# Altium PCB eva01.PcbDoc (part 1 of 4) (continued)
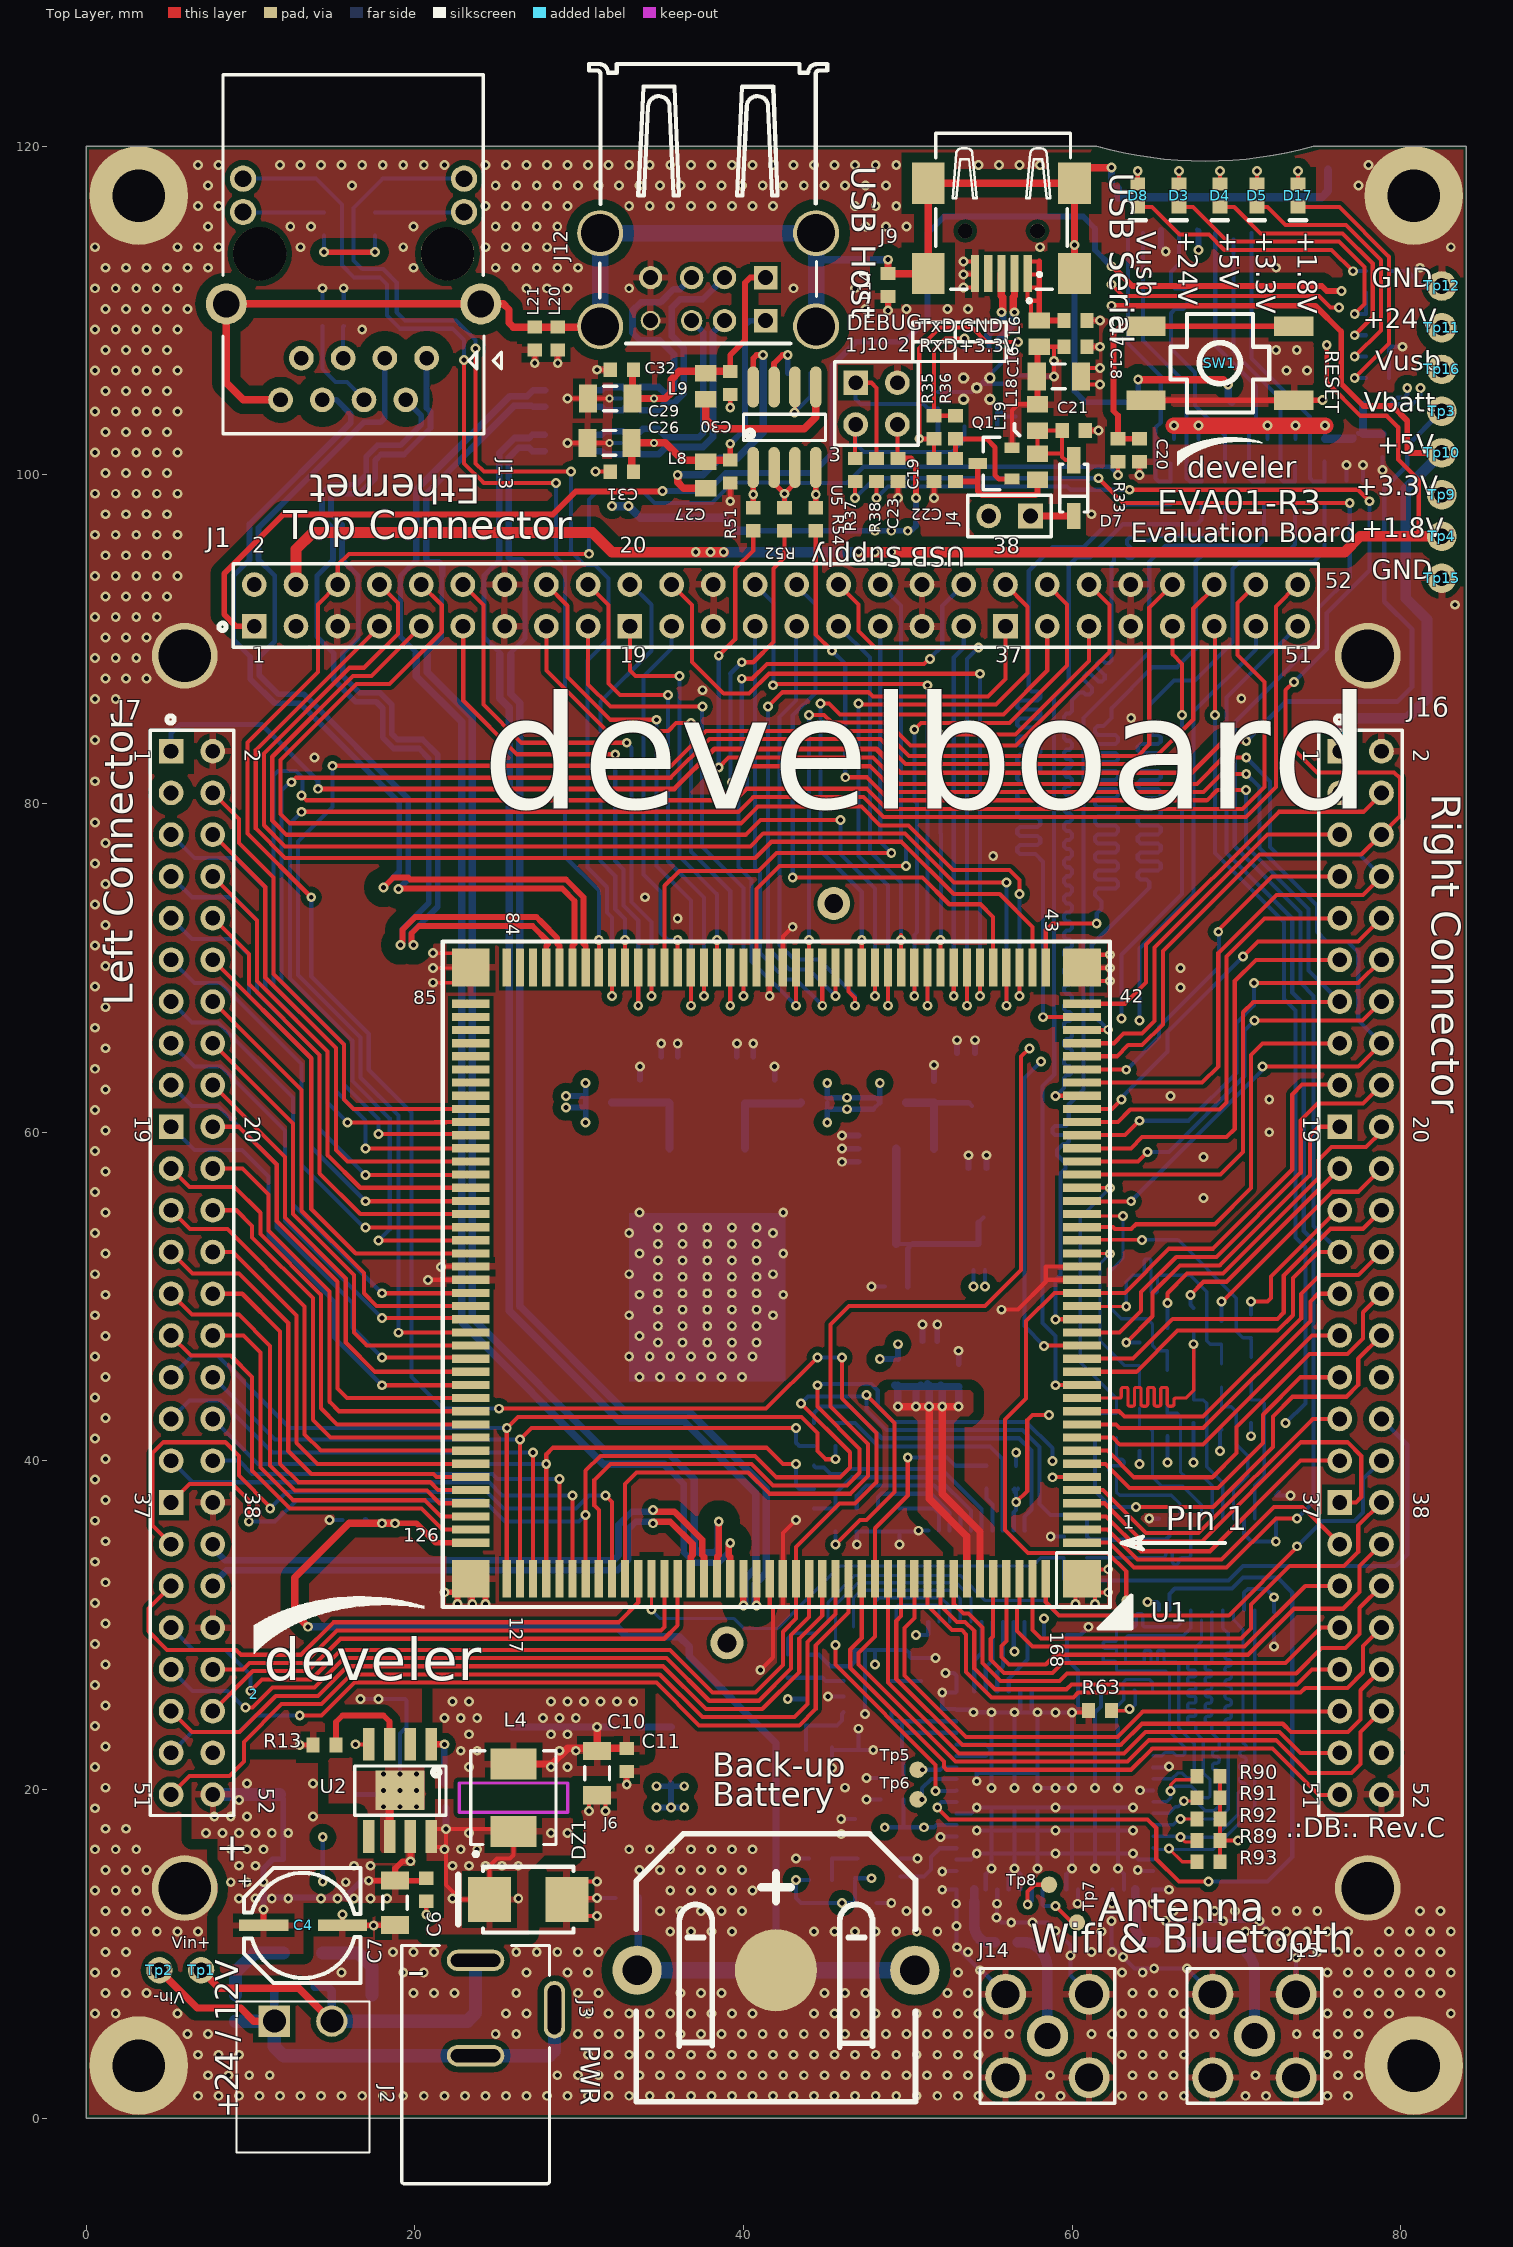
[diagram p0: Top Layer view]
## Footprints (in the part's own frame and the unit in brackets; to place one, negate y for a bottom-side part, rotate by r counter-clockwise, add the part's x,y. Pads: shape width x height; smd on the part's side, far side on the other; paste and mask are expansions set on the pad) (continued)
  silkscreen extent 0,2.47 10.36,5.98
Diode_bridge_smd [mm] "Full diode bridge smd"
  rect 0.8x2 smd: +(-1.2,-2.85) -(1.2,-2.85) AC1(-1.2,2.85) AC2(1.2,2.85)
  silkscreen extent -2.25,-2.5 2.25,3, body extent -2.25,-2.5 2.25,2.5, height 3
DO214AA_12 [mil]
  rect 103x108 smd: 1(-92.5,0) 2(92.5,0)
  silkscreen extent -167,-79 108,79, body extent -110,-78 110,78, height 106
HEADER_1X2_2.54MM_THD [mm] "Connector; Header; 2 Position"
  rect 1.5x1.5 hole 0.9: 1(-1.27,0)
  round 1.5 hole 0.9: 2(1.27,0)
  silkscreen extent -2.54,-1.27 2.54,1.27, body extent -2.54,-1.25 2.44,1.25, height 8.2
HEADER_2X2_2.54MM_THD [mm] "pin header 2.54mm 2row 4pin"
  rect 1.5x1.5 hole 0.9: 1(-1.27,-1.27)
  round 1.5 hole 0.9: 2(-1.27,1.27) 3(1.27,-1.27) 4(1.27,1.27)
  silkscreen extent -2.54,-2.54 2.54,2.54, body extent -2.54,-2.54 2.54,2.54, height 8.57
HEADER_2x26_2.54MM_THD [mm] "pin header 2.54mm 2x26 vertical"
  rect 1.5x1.5 hole 0.9: 1(-31.75,-1.27) 19(-8.89,-1.27) 37(13.97,-1.27)
  round 1.5 hole 0.9: 2(-31.75,1.27) 3(-29.21,-1.27) 4(-29.21,1.27) 5(-26.67,-1.27) 6(-26.67,1.27) 7(-24.13,-1.27) 8(-24.13,1.27) 9(-21.59,-1.27) 10(-21.59,1.27) 11(-19.05,-1.27) 12(-19.05,1.27) 13(-16.51,-1.27) 14(-16.51,1.27) 15(-13.97,-1.27) 16(-13.97,1.27) 17(-11.43,-1.27) 18(-11.43,1.27) 20(-8.89,1.27) 21(-6.35,-1.27) 22(-6.35,1.27) 23(-3.81,-1.27) 24(-3.81,1.27) 25(-1.27,-1.27) 26(-1.27,1.27) 27(1.27,-1.27) 28(1.27,1.27) 29(3.81,-1.27) 30(3.81,1.27) 31(6.35,-1.27) 32(6.35,1.27) 33(8.89,-1.27) 34(8.89,1.27) 35(11.43,-1.27) 36(11.43,1.27) 38(13.97,1.27) 39(16.51,-1.27) 40(16.51,1.27) 41(19.05,-1.27) 42(19.05,1.27) 43(21.59,-1.27) 44(21.59,1.27) 45(24.13,-1.27) 46(24.13,1.27) 47(26.67,-1.27) 48(26.67,1.27) 49(29.21,-1.27) 50(29.21,1.27) 51(31.75,-1.27) 52(31.75,1.27)
  silkscreen extent -33.9,-2.54 33.02,2.54, body extent -33.02,-2.54 33.02,2.54, height 8.54
micro_sd_holder_pp [mm] "WR-CRD Micro SD_Push and Push_Card Detection_8 pins"
  rect 0.8x1.5 smd: 1(-1.915,3.225) 2(-0.815,2.825) 3(0.285,3.225) 4(1.385,3.425) 5(2.485,3.225) 6(3.585,3.425) 7(4.685,3.225) 8(5.785,3.225)
  rect 1.4x1.9 smd: Z1(-6.575,7.075) Z2(6.575,5.925)
  rect 1.8x1.4 smd: Z3(-0.715,-7.075) Z4(4.975,-7.075)
  silkscreen extent -7.05,-7.7 7.1,7.7, body extent -6.97,-7.63 7.03,7.58, height 1.84
PROJECT42_FOOTPRINT_SOCKET [mm]
  rect 0.5x2.3 smd: 1(16.4,18.6) 2(15.6,18.6) 3(14.8,18.6) 4(14,18.6) 5(13.2,18.6) 6(12.4,18.6) 7(11.6,18.6) 8(10.8,18.6) 9(10,18.6) 10(9.2,18.6) 11(8.4,18.6) 12(7.6,18.6) 13(6.8,18.6) 14(6,18.6) 15(5.2,18.6) 16(4.4,18.6) 17(3.6,18.6) 18(2.8,18.6) 19(2,18.6) 20(1.2,18.6) 21(0.4,18.6) 22(-0.4,18.6) 23(-1.2,18.6) 24(-2,18.6) 25(-2.8,18.6) 26(-3.6,18.6) 27(-4.4,18.6) 28(-5.2,18.6) 29(-6,18.6) 30(-6.8,18.6) 31(-7.6,18.6) 32(-8.4,18.6) 33(-9.2,18.6) 34(-10,18.6) 35(-10.8,18.6) 36(-11.6,18.6) 37(-12.4,18.6) 38(-13.2,18.6) 39(-14,18.6) 40(-14.8,18.6) 41(-15.6,18.6) 42(-16.4,18.6) 85(-16.4,-18.6) 86(-15.6,-18.6) 87(-14.8,-18.6) 88(-14,-18.6) 89(-13.2,-18.6) 90(-12.4,-18.6) 91(-11.6,-18.6) 92(-10.8,-18.6) 93(-10,-18.6) 94(-9.2,-18.6) 95(-8.4,-18.6) 96(-7.6,-18.6) 97(-6.8,-18.6) 98(-6,-18.6) 99(-5.2,-18.6) 100(-4.4,-18.6) 101(-3.6,-18.6) 102(-2.8,-18.6) 103(-2,-18.6) 104(-1.2,-18.6) 105(-0.4,-18.6) 106(0.4,-18.6) 107(1.2,-18.6) 108(2,-18.6) 109(2.8,-18.6) 110(3.6,-18.6) 111(4.4,-18.6) 112(5.2,-18.6) 113(6,-18.6) 114(6.8,-18.6) 115(7.6,-18.6) 116(8.4,-18.6) 117(9.2,-18.6) 118(10,-18.6) 119(10.8,-18.6) 120(11.6,-18.6) 121(12.4,-18.6) 122(13.2,-18.6) 123(14,-18.6) 124(14.8,-18.6) 125(15.6,-18.6) 126(16.4,-18.6)
  rect 2.3x0.5 smd: 43(-18.6,16.4) 44(-18.6,15.6) 45(-18.6,14.8) 46(-18.6,14) 47(-18.6,13.2) 48(-18.6,12.4) 49(-18.6,11.6) 50(-18.6,10.8) 51(-18.6,10) 52(-18.6,9.2) 53(-18.6,8.4) 54(-18.6,7.6) 55(-18.6,6.8) 56(-18.6,6) 57(-18.6,5.2) 58(-18.6,4.4) 59(-18.6,3.6) 60(-18.6,2.8) 61(-18.6,2) 62(-18.6,1.2) 63(-18.6,0.4) 64(-18.6,-0.4) 65(-18.6,-1.2) 66(-18.6,-2) 67(-18.6,-2.8) 68(-18.6,-3.6) 69(-18.6,-4.4) 70(-18.6,-5.2) 71(-18.6,-6) 72(-18.6,-6.8) 73(-18.6,-7.6) 74(-18.6,-8.4) 75(-18.6,-9.2) 76(-18.6,-10) 77(-18.6,-10.8) 78(-18.6,-11.6) 79(-18.6,-12.4) 80(-18.6,-13.2) 81(-18.6,-14) 82(-18.6,-14.8) 83(-18.6,-15.6) 84(-18.6,-16.4) 127(18.6,-16.4) 128(18.6,-15.6) 129(18.6,-14.8) 130(18.6,-14) 131(18.6,-13.2) 132(18.6,-12.4) 133(18.6,-11.6) 134(18.6,-10.8) 135(18.6,-10) 136(18.6,-9.2) 137(18.6,-8.4) 138(18.6,-7.6) 139(18.6,-6.8) 140(18.6,-6) 141(18.6,-5.2) 142(18.6,-4.4) 143(18.6,-3.6) 144(18.6,-2.8) 145(18.6,-2) 146(18.6,-1.2) 147(18.6,-0.4) 148(18.6,0.4) 149(18.6,1.2) 150(18.6,2) 151(18.6,2.8) 152(18.6,3.6) 153(18.6,4.4) 154(18.6,5.2) 155(18.6,6) 156(18.6,6.8) 157(18.6,7.6) 158(18.6,8.4) 159(18.6,9.2) 160(18.6,10) 161(18.6,10.8) 162(18.6,11.6) 163(18.6,12.4) 164(18.6,13.2) 165(18.6,14) 166(18.6,14.8) 167(18.6,15.6) 168(18.6,16.4)
  rect 2.3x2.3 smd: GND(-18.6,18.6) GND(-18.6,-18.6) GND(18.6,18.6) GND(18.6,-18.6)
  round 2 hole 1.15 paste-10 mask+0: H(-22.5,3.5)
  round 2 hole 1.15 unplated paste-10 mask+0: H(22.5,-3)
  silkscreen extent 17.02,17.05 20.2,19.87, body extent -19.1,-19 18.9,19, height 2.35
QFN-32 [mm]
  rect 0.5x0.3 smd: 1(-2.35,1.75) 2(-2.35,1.25) 3(-2.35,0.75) 4(-2.35,0.25) 5(-2.35,-0.25) 6(-2.35,-0.75) 7(-2.35,-1.25) 8(-2.35,-1.75) 17(2.35,-1.75) 18(2.35,-1.25) 19(2.35,-0.75) 20(2.35,-0.25) 21(2.35,0.25) 22(2.35,0.75) 23(2.35,1.25) 24(2.35,1.75)
  rect 0.3x0.5 smd: 9(-1.75,-2.35) 10(-1.25,-2.35) 11(-0.75,-2.35) 12(-0.25,-2.35) 13(0.25,-2.35) 14(0.75,-2.35) 15(1.25,-2.35) 16(1.75,-2.35) 25(1.75,2.35) 26(1.25,2.35) 27(0.75,2.35) 28(0.25,2.35) 29(-0.25,2.35) 30(-0.75,2.35) 31(-1.25,2.35) 32(-1.75,2.35)
  round 0.7 hole 0.35 paste-10 mask-10: GND_PAD(-0.8,-0.6) GND_PAD(-0.8,0.7) GND_PAD(0,0) GND_PAD(0.8,-0.6) GND_PAD(0.8,0.7)
  rect 3.2x3.2 smd: GND_PAD(0,0)
  silkscreen extent -2.5,-2.5 2.5,2.5, body extent -2.5,-2.5 2.5,2.5, height 1.3
RJ45_LAN_TRANSFORMER_HORIZONTAL [mm] "RJ45 LAN CONNECTOR with Surge Protection,  THT, Body 16.04 X 21.30 mm"
  round 1.5 hole 0.89 paste+0: 1(4.445,-6.35) 2(3.175,-8.89) 3(1.905,-6.35) 4(0.635,-8.89) 5(-0.635,-6.35) 6(-1.905,-8.89) 7(-3.175,-6.35) 8(-4.445,-8.89)
  round 1.6 hole 1.02 paste+0: 9(6.725,2.54) 10(6.725,4.57) 11(-6.725,2.54) 12(-6.725,4.57)
  round 3.25 hole 3.25 paste+0: 13(-5.715,0) 14(5.715,0)
  round 2.5 hole 1.63 paste+0: 15(-7.745,-3.05) 16(7.745,-3.05)
  silkscreen extent -7.94,-10.95 9,10.89, body extent -8.04,-11.02 8.04,10.82, height 14.37
SMA_JACK_FEMALE_5.08MM_THD [mm]
  round 2.5 hole 1.6: 1(0,0)
  round 2.5 hole 1.7: 2(-2.54,-2.54) 3(2.54,-2.54) 4(2.54,2.54) 5(-2.54,2.54)
  silkscreen extent -4.1,-4.1 4.1,4.1, body extent -3.15,-11.1 3.2,3.1, height 10.38
SOD-123 [mm] "SOD-123; 2 Leads; Body 2.7 x 1.6 mm, (LxW)"
  rect 1.6x0.8 smd: 1(1.7,0) 2(-1.7,0)
  silkscreen extent -1.45,-0.85 1.45,0.85, body extent -1.85,-0.8 1.85,0.8, height 1.27
SOIC8 [mm] "SOIC, 8-Leads, Body 4.9x3.8mm, Pitch 1.27mm, IPC Low Density"
  oval 2.5x0.7 smd: 1(-2.45,1.905) 2(-2.45,0.635) 3(-2.45,-0.635) 4(-2.45,-1.905) 5(2.45,-1.905) 6(2.45,-0.635) 7(2.45,0.635) 8(2.45,1.905)
  silkscreen extent -0.8,-2.5 0.8,2.5, body extent -2,-2.5 2,2.5, height 1.75
SOIC8_PAD [mm] "SOIC, 8-Leads, Body 4.9x3.8mm, Pitch 1.27mm, IPC Low Density"
  rect 2x0.7 smd mask+0.05: 1(-2.8,1.905) 2(-2.8,0.635) 3(-2.8,-0.635) 4(-2.8,-1.905) 5(2.8,-1.905) 6(2.8,-0.635) 7(2.8,0.635) 8(2.8,1.905)
  round 0.4 / inner round 0.6 / far side round 0.6 hole 0.3 paste-10 mask-10: 9(-1,1) 9(-1,0) 9(-1,-1) 9(0,0) 9(0,1) 9(0,-1) 9(1,1) 9(1,0) 9(1,-1)
  rect 2.4x3 smd: 9(0,0)
  silkscreen extent -1.48,-2.75 1.53,2.8, body extent -2.98,-2.45 2.98,2.45, height 1.54
SOT-23 [mm] "SOT23, 3-Leads, Body 2.9x1.3mm, Pitch 0.95mm, Lead Span 2.5mm, IPC High Density"
  rect 0.9x0.65 smd: 1(-1.038,0.95) 2(-1.038,-0.95)
  rect 1.1x0.65 smd: 3(1.038,0)
  silkscreen extent -0.3,-1.6 0.7,1.6, body extent -1.2,-1.52 1.2,1.52, height 1.22
SOT-23-5 [mm]
  rect 0.5x1.2 smd: 1(-0.95,-1.45) 2(0,-1.45) 3(0.95,-1.45) 4(0.95,1.45) 5(-0.95,1.45)
  silkscreen extent -1.5,-0.6 1.5,0.6, body extent -1.5,-1.5 1.5,1.5, height 1.35
SOT-223 [mm] "SOT223, 4-Leads, Body 6.5x3.5mm, Pitch 2.3mm, Lead Span 7mm, IPC Medium Density"
  rect 2.4x1 smd: 1(-2.9,2.3) 2(-2.9,0) 3(-2.9,-2.3)
  rect 2.4x3.3 smd: 4(2.9,0)
  silkscreen extent -1.25,-3.35 1.25,3.35, body extent -1.85,-3.35 1.85,3.35, height 1.8
SOT-563 [mm]
  rect 0.3x0.5 smd: 1(-0.5,-0.7) 2(0,-0.7) 3(0.5,-0.7) 4(0.5,0.7) 5(0,0.7) 6(-0.5,0.7)
  silkscreen extent -0.9,-0.61 0.9,0.6, body extent -0.8,-0.79 0.8,0.81, height 0.55
TACTILE_SWITCH_6x6MM_SMD [mm] "Tactile switch smd 4pin vertical"
  rect 1.2x2.4 smd: 1(2.25,4.5) 2(2.25,-4.5) 3(-2.25,4.5) 4(-2.25,-4.5)
  silkscreen extent -3,-3 3,3, body extent -3.1,-4.5 3.1,4.5, height 9.5
TBLOCK_1X2_3.5MM_HOR_THD [mm] "3,50mm - PCB Horizontal - 02p"
  rect 1.9x1.9 hole 1.4: 1(-1.75,0)
  round 1.9 hole 1.4: 2(1.75,0)
  silkscreen extent -4.05,-8 4.05,1.2, body extent -4.05,-16.8 4.05,1.2, height 7.98
TEST_POINT_SMD_D1MM [mm] "Test point D=1MM"
  round 1 smd paste-10: 1(0,0)
TEST_POINT_THD_D1.6MM#1 [mm] "Test point D=1.6MM"
  round 1.6 hole 0.95 paste+0.1 mask+0.05: 1(0,0)
TEST_POINT_THD_D1.6MM#2 [mm] "Test point D=1.6MM"
  round 1.6 hole 0.95 paste-10 mask+0.05: 1(0,0)
TEST_POINT_THD_D1.8MM [mm] "Test point D=1.6MM"
  round 1.8 hole 0.95 paste-10 mask+0.05: 1(0,0)
TO-252_D2PAK_LARGEPAD [mm] "D2-PAK, 4-Leads, Body 8.8x10.4mm, Pitch 2.54mm, Lead Span 15.1mm, IPC High Density"
  rect 3x1.5 smd: 1(-5.437,2.3) 3(-5.437,-2.3)
  round 0.6 hole 0.3 paste-10 mask-10: 2(-0.612,-3) 2(-0.612,-1.5) 2(-0.612,0) 2(-0.612,1.5) 2(-0.612,3) 2(0.388,-3) 2(0.388,-1.5) 2(0.388,0) 2(0.388,1.5) 2(0.388,3) 2(1.388,-3) 2(1.388,-1.5) 2(1.388,0) 2(1.388,1.5) 2(1.388,3) 2(2.388,-3) 2(2.388,-1.5) 2(2.388,0) 2(2.388,1.5) 2(2.388,3) 2(3.388,-3) 2(3.388,-1.5) 2(3.388,0) 2(3.388,1.5) 2(3.388,3) 2(4.388,-3) 2(4.388,-1.5) 2(4.388,0) 2(4.388,1.5) 2(4.388,3) 2(5.388,-3) 2(5.388,-1.5) 2(5.388,0) 2(5.388,1.5) 2(5.388,3) 2(6.388,-3) 2(6.388,-1.5) 2(6.388,0) 2(6.388,1.5) 2(6.388,3)
  rect 5.4x6.2 smd: 2(1.513,0)
  Top Layer region: -1.5,4.75 8.75,4.75 8.75,-4.75 -1.5,-4.75
  silkscreen extent -6.59,-4.2 4.9,4.2, body extent -5.75,-3.27 4.19,3.27, height 2.34
TSOP65P640X120-20L [mm] "TSOP, 20-Leads, Body 6,50x4,35mm, Pitch 0,65mm, IPC High Density"
  oval 1.35x0.4 smd: 1(-2.775,2.925) 2(-2.775,2.275) 3(-2.775,1.625) 4(-2.775,0.975) 5(-2.775,0.325) 6(-2.775,-0.325) 7(-2.775,-0.975) 8(-2.775,-1.625) 9(-2.775,-2.275) 10(-2.775,-2.925) 11(2.775,-2.925) 12(2.775,-2.275) 13(2.775,-1.625) 14(2.775,-0.975) 15(2.775,-0.325) 16(2.775,0.325) 17(2.775,0.975) 18(2.775,1.625) 19(2.775,2.275) 20(2.775,2.925)
  silkscreen extent -4.1,-3.3 1.7,3.3, body extent -2.1,-3.3 2.1,3.3, height 1.2
USB_TYPEA_DOUBLE_THD [mm] "2 x 4 pins"
  rect 1.42x1.42 hole 0.92: A1(-3.5,2.49) B1(-3.5,-0.13)
  round 1.42 hole 0.92: A2(-1,2.49) B2(-1,-0.13) B3(1,-0.13) B4(3.5,-0.13)
  round 1.3 hole 0.92: A3(1,2.49)
  round 1.2 hole 0.92: A4(3.5,2.49)
  round 2.8 hole 2.3: Z1(-6.57,2.84) Z2(6.57,2.84) Z3(-6.57,-2.84) Z4(6.57,-2.84)
  silkscreen extent -7.25,-13.12 7.25,3.88, body extent -7.89,-13.12 7.89,4.03, height 16.15
usb_typeB_mini_smd [mm] "5 pins"
  rect 0.5x2.25 smd: 1(-1.6,2.75) 2(-0.8,2.75) 3(0,2.75) 4(0.8,2.75) 5(1.6,2.75)
  rect 2x2.5 smd: Z1(-4.45,2.75) Z2(4.45,2.75) Z3(4.45,-2.75) Z4(-4.45,-2.75)
  round 0.9 hole 0.9 unplated: ""(-2.2,0.15) ""(2.2,0.15)
  silkscreen extent -4.2,-5.8 4,4.52, body extent -4.8,-5.75 4.8,3.5, height 3.97
WE-CNSW_1206 [mm] "SMD Inductor, 4-Leads, Body 1,8x3,4mm"
  rect 1.1x0.6 smd: 1(-1.35,0.5) 2(1.35,0.5) 3(1.35,-0.5) 4(-1.35,-0.5)
  silkscreen extent -2.3,-1.2 2.3,1.2, body extent -1.6,-0.8 1.6,0.8, height 1.88
WE-LHMI_5020 [mm] "SMD Inductor, 2-Leads, Body 5.7x 5.2mm"
  rect 1.9x2.8 smd: 1(-2.05,0) 2(2.05,0)
  Keep-Out Layer lines w0.2: -0.889,3.302 0.889,3.302 0.889,-3.302 -0.889,-3.302 -0.889,3.302
  silkscreen extent -3.55,-2.6 2.85,2.6, body extent -2.85,-2.6 2.85,2.6, height 1.8
WL18XX_E-13.4X13.3-N100_0.75 [mm] "Wireless module texas wl18xx"
  rect 0.75x0.75 smd mask+0.03: 1(-6.025,-5.975) 17(6.025,-5.975) 33(6.025,5.975) 49(-6.025,5.975)
  rect 0.4x0.75 smd mask+0.03: 2(-4.9,-5.975) 3(-4.2,-5.975) 4(-3.5,-5.975) 5(-2.8,-5.975) 6(-2.1,-5.975) 7(-1.4,-5.975) 8(-0.7,-5.975) 9(0,-5.975) 10(0.7,-5.975) 11(1.4,-5.975) 12(2.1,-5.975) 13(2.8,-5.975) 14(3.5,-5.975) 15(4.2,-5.975) 16(4.9,-5.975) 34(4.9,5.975) 35(4.2,5.975) 36(3.5,5.975) 37(2.8,5.975) 38(2.1,5.975) 39(1.4,5.975) 40(0.7,5.975) 41(0,5.975) 42(-0.7,5.975) 43(-1.4,5.975) 44(-2.1,5.975) 45(-2.8,5.975) 46(-3.5,5.975) 47(-4.2,5.975) 48(-4.9,5.975)
  rect 0.75x0.4 smd mask+0.03: 18(6.025,-4.9) 19(6.025,-4.2) 20(6.025,-3.5) 21(6.025,-2.8) 22(6.025,-2.1) 23(6.025,-1.4) 24(6.025,-0.7) 25(6.025,0) 26(6.025,0.7) 27(6.025,1.4) 28(6.025,2.1) 29(6.025,2.8) 30(6.025,3.5) 31(6.025,4.2) 32(6.025,4.9) 50(-6.025,4.9) 51(-6.025,4.2) 52(-6.025,3.5) 53(-6.025,2.8) 54(-6.025,2.1) 55(-6.025,1.4) 56(-6.025,0.7) 57(-6.025,0) 58(-6.025,-0.7) 59(-6.025,-1.4) 60(-6.025,-2.1) 61(-6.025,-2.8) 62(-6.025,-3.5) 63(-6.025,-4.2) 64(-6.025,-4.9)
  rect 1x1 smd mask+0.03: GND(-3.85,-3.85) GND(-3.85,-2.45) GND(-3.85,-1.05) GND(-3.85,1.05) GND(-3.85,2.45) GND(-3.85,3.85) GND(-2.45,-3.85) GND(-2.45,-2.45) GND(-2.45,-1.05) GND(-2.45,1.05) GND(-2.45,2.45) GND(-2.45,3.85) GND(-1.05,-3.85) GND(-1.05,-2.45) GND(-1.05,-1.05) GND(-1.05,1.05) GND(-1.05,2.45) GND(-1.05,3.85) GND(1.05,-3.85) GND(1.05,-2.45) GND(1.05,-1.05) GND(1.05,1.05) GND(1.05,2.45) GND(1.05,3.85) GND(2.45,-3.85) GND(2.45,-2.45) GND(2.45,-1.05) GND(2.45,1.05) GND(2.45,2.45) GND(2.45,3.85) GND(3.85,-3.85) GND(3.85,-2.45) GND(3.85,-1.05) GND(3.85,1.05) GND(3.85,2.45) GND(3.85,3.85)
  silkscreen extent -7.1,-7.05 6.9,6.75, body extent -6.6,-6.55 6.7,6.55, height 2.1

## Part data
C1 C7 C10 C13 C16 C24 C26 C29 C49 C50: library part "Cap Pol1", "Ceramic X5R 25V"
C2 C3 C6 C9 C11 C14 C15 C17 C18 C19 C20 C21 C22 C23 C25 C27 C28 C30 C31 C32 C33 C34 C35 C36 C37 C38 C39 C42 C43 C44 C47 C48 C73 C74: library part Cap, "Ceramic X7R 50V"
C4: library part "Cap Pol1", "EEEFK1H101P SMT 6x6 35V"
C5: library part "Cap Pol1", "Tantalum 10V (T495D107K010ATE100)"
C8 C12: library part "Cap Pol1", "Ceramic X7R 50V"
C40: library part Cap, "Ceramic X5R 25V"
C41: library part Cap, "Ceramic X7R 10V"
C45 C46: library part Cap, "Ceramic COG 50V"
D1: library part Diode_bridge2, "MBS4 (Farnell cod:4084985)"
D2: library part "D Zener", "TRANSIL (SM6T12A)"
D3 D4 D5 D8 D17: library part LED0, "LED Green"
D6 D7: library part Diode, "Diode Schottky  low Vf, If 1A (PMEG3010ER; MBRX120LF)"
DZ1: library part "D Schottky", "Diode Schottky (STPS2L40U)"
J1 J7 J16: library part "Header 26x2", "Pin header 26x2 Stacked > 16mm"
J2: library part "Header 2", "Terminal block Header 3.5mm Horizontal (WE 691322110002)"
J3: library part "WE-DC Power Jack 694108301002", "WR-DC_DC Power Jack_Right Angled_THT (WE  694108301002)"
J4: library part "Header 2", "Pin Header, 2pin, 1x2, 2.54mm, THD"
J6: library part Battery_holder_3002, "CR1612/1616/1620/1632 (3013, Keystone)"
J9: library part USB_Con_Type_B_mini_SMT, "Mini USB SMT Type B 5 Contacts (WE 65100516121)"
J10: library part "Header 2X2", "Pin Header, 4pin, 2x2, 2.54mm, THD"
J11: library part micro_sd_holde, "WR-CRD Micro SD_Push and Push (693071010811)"
J12: library part "WE-Communication Connectors 61400826021", "USB Type-A Double Connector (WE  61400826021)"
J13: library part RJ45LAN-10/100BaseT, "Integrated RJ45 Transformer WE-RJ45LAN (WE 74990111217)"
J14 J15: library part ANTENNA, "SMA, Jack, Right angle, PCB socket, 50ohm (TE 5-1814400-1)"
L1 L2 L3 L5 L6 L7 L8 L9 L12 L13 L15 L16 L17 L18 L19: library part Inductor, "WE 742792022"
L4: library part Inductor, "SMD Shielded Tiny Power Inductor"
L10 L11: library part Common_mode_choke, "Common mode line filter"
L14 L20 L21: library part "BEAD_ FERRITE", "Ferrite Beat (WE 7427927218)"
Q1: library part "MOSFET-P 3pin", "Mos N Channel"
R1 R2 R3 R4 R5 R6 R7 R8 R9 R10 R11 R13 R14 R15 R16 R17 R33 R35 R36 R37 R38 R39 R40 R41 R42 R43 R44 R45 R46 R47 R48 R49 R50 R51 R52 R53 R54 R55 R56 R57 R58 R59 R60 R62 R63 R65 R66 R67 R68 R69 R70 R71 R72 R73 R74 R75 R76 R77 R78 R79 R80 R81 R82 R83 R84 R85 R86 R87 R89 R90 R91 R92 R93 R94 R150: library part Res1, "Resistor"
SW1: library part tactile_switch, "Tactile switch"
Tp1 Tp2 Tp3 Tp4 Tp5 Tp6 Tp7 Tp8 Tp9 Tp10 Tp11 Tp12 Tp15 Tp16: library part Test_point, "Test point"
U1: library part develboard_pinout, "Faster Little Linux Module"
U2: library part LM22670MR-ADJ, "Power switch"
U3: "Very Low Drop Linear regulator 3.3V (BA33BC0FP-E2; MIC2940A-3.3WU)"
U4: "Serial TTL 232 <-> USB (QFN-32)"
U5: "USB Power Supply swtich HI-SIDE dual."
U6 U7: library part TVS_Diode_Array
U8: "8-bit bidirectional level translator"
U9: "Wifi & Bluethoot module"
U10: "Power Load Switch"
U11: library part TXB0108PW, "8-bit bidirectional level translator"
U12: library part Si501/2/3_32768Hz, "32.768kHz Oscillator (EPSON  X1B0002110001 SG-3030CM)"
U28: library part LM317AEMP, "LDO, Fixed Vout = 1.8V"

## Free pads (board coordinates)
  round 6 hole 3.2: Hole(3.2,3.2) Hole(3.2,117) Hole(80.8,3.2) Hole(80.8,117)
  round 4 hole 3.2: Hole(6,14) Hole(6,89) Hole(78,14) Hole(78,89)

## Via types
v1: diameter 0.6, hole 0.3, Top Layer to Bottom Layer, 1165 vias
v2: diameter 0.5, hole 0.25, Top Layer to Bottom Layer, 4 vias

## Nets (pads, with @x,y where several pads share a name; then routed paths per layer and width w, separated by ;. In a path a pad name is that pad's centre, name@x,y a point inside that pad or via, vN(x,y) a via of type N, cw(c..) or ccw(c..) an arc to the next point about the centre after c; other vN are vias at no path point)
3V3OUT: C19.1 R35.1 U4.1 U4.16 | length 17.5
  Top Layer w0.25: v1(50.7,102.2) 50.7,107.7 51.975,108.975 53.925,108.975 54.8,108.1 v1(56.7,108.1) ; C19.1@51.6,101 R35.1@51.6,102.2
  Top Layer w0.3: v1@50.7,102.2 R35.1@51.6,102.2
  Bottom Layer w0.25: 56.1,107.65 56.35,107.65 56.7,108 v1(56.7,108.1)
  Bottom Layer w0.3: v1(50.7,102.2) 51.5,102.2 51.85,102.55 U4.1@51.85,103.4